# KiCad board NoU2-panelized.kicad_pcb (continued)
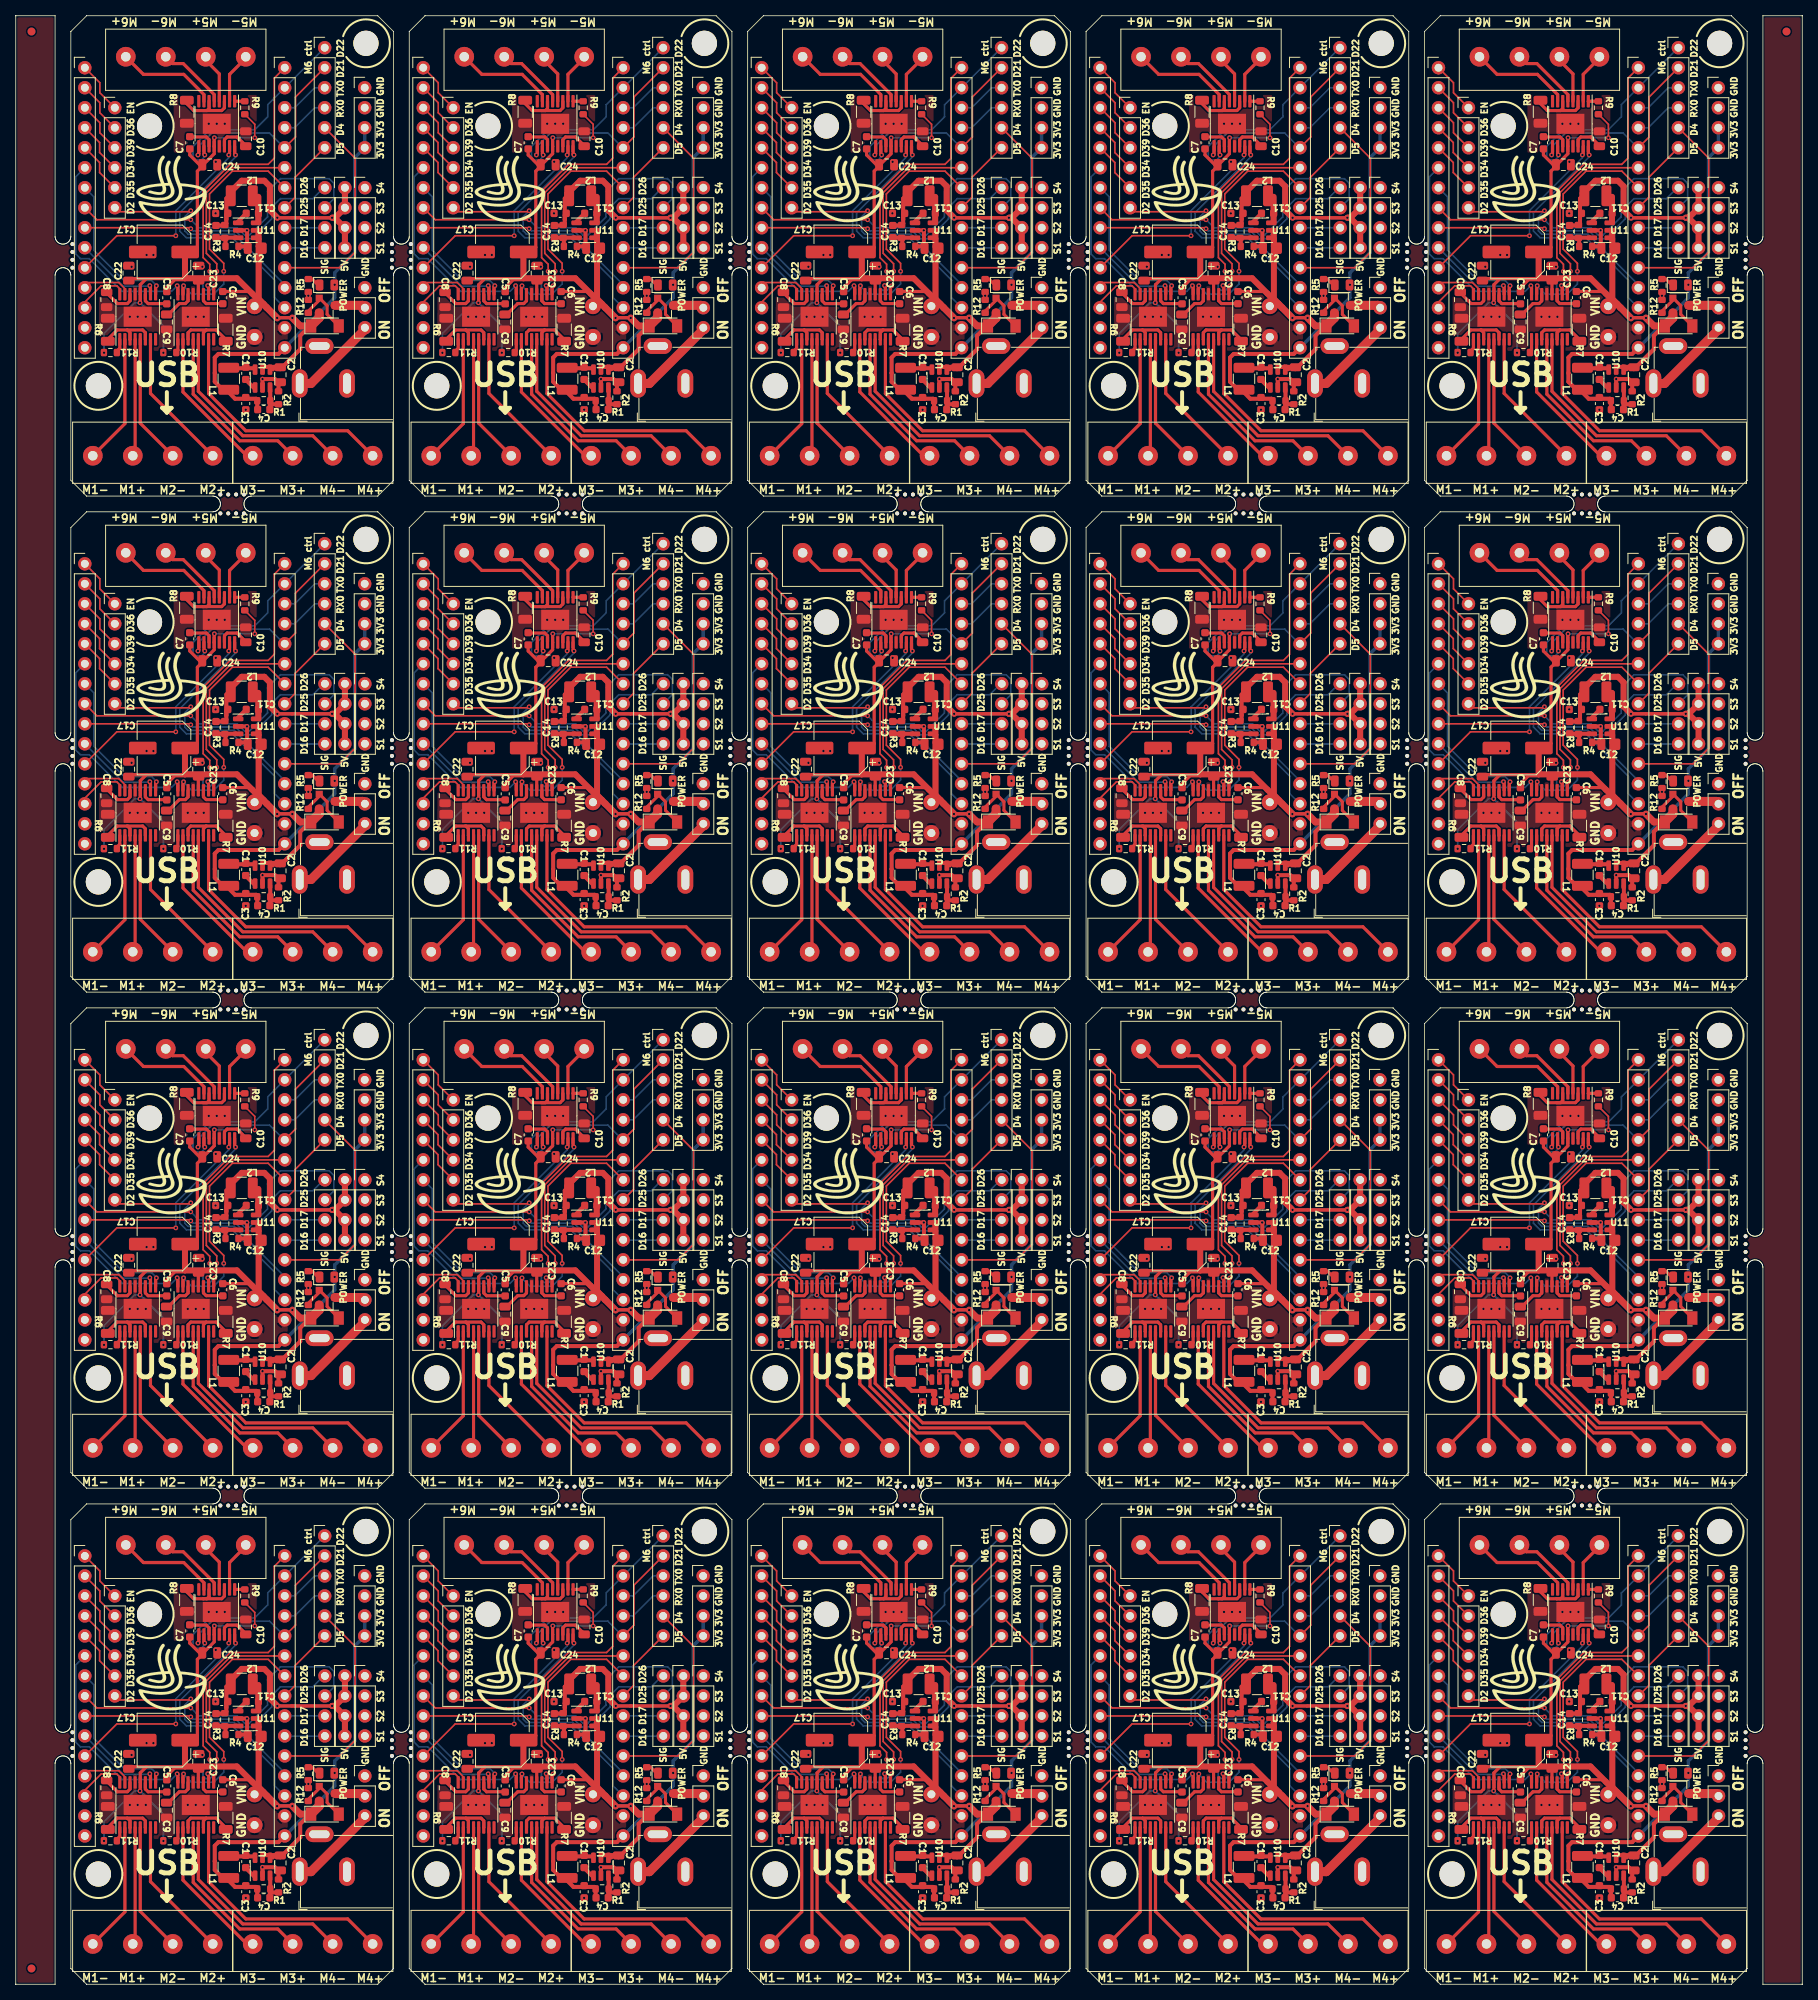
[diagram p0: board, top side]
## Routing (per net, layer and track width the routed paths; a pad name or vN(x,y) marks a point on that pad's centre or on a via; arc(x,y) is an arc through that point) (continued)
Board_15-Net-(Q1-Pad3): length 3.9
  Top w1.143: Q1#17.3 44.06,24.22 U8#20.2
Board_15-Net-(R6-Pad2): length 7.8
  Top w0.399: 14.18,21.1 16.13,21.1 16.47,20.75 U1#5.6 16.47,19.91 ; 14.18,21.1 12.89,21.1 11.7,19.91 R6#5.2 ; 14.18,21.1 14.52,20.75 U1#5.3 14.52,19.91
Board_15-Net-(R7-Pad2): length 7.8
  Top w0.399: 21.9,19.91 U3.3 21.9,20.75 22.24,21.1 24.19,21.1 ; 24.19,21.1 23.85,20.75 U3.6 23.84,19.9 ; 24.19,21.1 25.47,21.1 26.69,19.89 R7#5.2
Board_15-Net-(R8-Pad2): length 8.5
  Top w0.399: 23.79,48.96 26.17,48.96 26.52,49.3 U2#17.3 ; 23.79,48.96 24.3,48.96 24.57,49.23 U2#17.6 ; 23.79,48.96 22.61,48.96 21.73,49.84 21.73,50.4
Board_15-Net-(R9-Pad1): length 1.3
  Top w0.399: R9#14.1 27.82,50.14 U2#17.1
Board_15-Net-(R10-Pad1): length 1.7
  Top w0.399: 20.4,18.33 20.6,18.53 U3.1
Board_15-Net-(R11-Pad1): length 1.8
  Top w0.399: 12.78,18.33 13.22,18.77 U1#5.1
Board_15-RX0: length 6.1
  Bottom w0.203: J11#10.4 35.45,46.78 37.99,49.32 J1#8.4
Board_15-TX0: length 6.1
  Bottom w0.203: J1#8.3 37.99,51.86 35.45,49.32 J11#10.3
Board_15-VIN: length 111
  Top w0.203: v1(30.37,45.51) 30.37,47.22 R9#14.2
  Top w0.25: J14#14.1 31.71,24.12 31.9,23.93
  Top w0.399: 21.54,27.62 16.6,27.62 15.82,26.84 U1#5.12 15.82,24.56 15.81,24.55 ; 23.7,42.08 23.82,42.08 25.22,43.48 U2#17.12 25.21,44.43 25.21,45.51 ; 23.7,42.08 23.36,42.08 22.11,43.32 C7#7.1 ; 23.7,42.08 23.7,41.89 23.08,41.26 23.08,31.59 22.49,31 C17#10.1 ; 21.49,27.47 20.31,27.47 ; C5#13.1 19.19,26.46 20.16,27.42 ; 30.04,25.72 29.78,25.98 C6#19.1 ; 23.21,27.36 23.2,27.35 U3.12 ; 29.01,48.4 R9#14.2 ; C22#17.1 14.6,27.6 ; 14.65,27.62 16.62,27.62
  Top w0.432: v1(33.21,22.62) 33.25,22.65 35.11,22.65 v1(35.14,22.62)
  Top w0.508: 32.53,16.27 32.69,16.11 ; D2#6.1 37.38,21.6 36.15,20.37 36.15,18.65 33.78,16.28 33.77,16.28 33.6,16.11 ; 33.52,16.41 32.61,16.41 ; 31.65,16.4 32.27,16.4 ; 30.86,32.61 30.68,32.8 ; 30.86,30.72 30.86,30.95 C12#5.2
  Top w0.762: 30.74,25.1 30.66,25.1 28.1,27.66 21.57,27.66 ; C17#10.1 21.5,30.97 21.5,27.66 ; 30.85,32.7 30.85,33.65 ; 30.86,32.61 30.86,24.97 31.46,24.37
  Top w0.864: v1(35.14,22.62) 36.16,21.6 D2#6.1 ; 30.74,25.1 v1(33.21,22.62)
  Top w1.143: D2#6.1 38.56,22.63 Q1#17.2
  Bottom w0.203: v1(11.22,18.2) 11.22,20.64 15.13,24.55 v1(15.79,24.55) ; 25.21,45.51 v1(30.37,45.51)
  Bottom w0.25: v1(15.79,24.55) 18.76,21.58 v1(18.76,18.2)
  Bottom w0.432: v1(33.21,22.62) 33.25,22.65 35.11,22.65 v1(35.14,22.62)
  vias: v1(25.24,45.51)
Board_16-3V3: length 53
  Top w0.508: 73.81,12.1 73.56,12.36 70.87,12.36 69.94,13.29 69.94,13.5 70.07,13.37 ; R1#2.1 73.69,11.04 ; 70.2,13.25 69.56,13.25 68.29,14.52 68.29,15.63 68.29,15.63 68.29,17.59 68.75,18.05 76.39,18.05 J11#20.15 ; 73.81,11.04 73.86,10.99
  Bottom w0.432: J3#19.3 J3#19.4 86.09,42.99 86.09,30.92 83.53,28.36 v1(83.53,26.84) 83.53,25.19 J11#20.15
Board_16-5V: length 40.3
  Top w0.432: v1(76.24,35.35) v1(83.2,35.35)
  Top w0.508: 69.98,36.1 69.98,35.9 69.76,35.69 69.76,35.14 ; 69.76,35.14 69.76,37.79 70.11,38.14 ; 69.76,35.14 69.76,34.63 R3#3.1 69.5,34.37 C14#20.2
  Top w0.762: 84.82,31.51 84.82,34.05 83.53,35.35 v1(83.2,35.35) 83.58,35.35 84.82,36.59 J12#12.1 ; v1(76.24,35.35) 75.3,36.29 75.3,39.33 74.59,40.05 72.58,40.05 72.57,40.04 71.72,40.04 70.11,38.43 70.11,38.14
  Bottom w0.432: v1(83.2,35.35) v1(76.24,35.35)
Board_16-/Sheet6057E9B8/D16: length 5.1
  Top w0.203: 77.21,31.51 J11#20.10
  Bottom w0.203: 82.28,31.51 77.21,31.51
Board_16-/Sheet6057E9B8/D17: length 5.1
  Top w0.203: 82.25,34.08 82.28,34.05
  Bottom w0.203: J11#20.9 82.25,34.08
Board_16-/Sheet6057E9B8/D34: length 6.7
  Top w0.203: J10#19.4 53.66,44.9 53.66,43.63 55.59,41.7
Board_16-/Sheet6057E9B8/D35: length 6.7
  Top w0.203: 55.59,39.16 53.66,41.09 53.66,42.36 J10#19.5
Board_16-/Sheet6057E9B8/D36: length 6.7
  Top w0.203: J10#19.2 53.68,49.95 53.68,48.68 55.59,46.78
Board_16-/Sheet6057E9B8/D39: length 6.7
  Top w0.203: J10#19.3 53.68,47.41 53.68,46.14 55.59,44.24
Board_16-/Sheet6057E9B8/EN: length 7.3
  Top w0.203: J10#19.1 53.68,52.49 53.68,51.22 55.59,49.32
  Top w0.399: 51.78,53.76 J10#19.1
Board_16-D2: length 28.7
  Top w0.203: v1(65.24,36.24) 65.11,36.11 56.1,36.11 J4#10.6
  Bottom w0.203: v1(65.24,36.24) 64.48,35.47 64.48,33.67 64.9,33.25 70.77,33.25 77.18,26.84 J11#20.12
Board_16-D4: length 27.2
  Top w0.203: J11#20.11 84.14,29 86.12,30.98 86.12,42.92 J1#15.5
Board_16-D5: length 9.7
  Top w0.203: J11#20.8 78.5,37.94 78.5,40.48 J1#15.6
Board_16-D25: length 41.8
  Top w0.203: v1(65.24,35.09) 53.3,35.09 J10#19.8
  Bottom w0.203: v1(65.24,35.09) 66.26,34.08 71.15,34.08 72.08,33.14 72.68,33.14 75,35.46 75,38.68 76.63,40.31 82.83,40.31 83.44,39.71 83.44,37.77 J2#17.2
Board_16-D26: length 34.6
  Top w0.203: v1(65.24,33.95) 65.15,34.08 J10#19.9
  Bottom w0.203: v1(65.24,33.95) 65.52,33.67 70.91,33.67 71.91,32.68 72.99,32.68 75.53,35.22 75.53,36.67 76.63,37.77 80.75,37.77 82.13,39.16 J2#17.1
Board_16-GND: length 10.3
  Top w0.508: 80.15,25.88 R5#8.1 R12#3.2 ; 74.36,13.61 v1(74.36,14.86) 75.93,14.86 76.33,14.46 76.61,14.46 76.39,14.24 76.39,13.31 ; 71.06,33.75 v1(72.38,33.75) 72.4,33.72 72.4,31.8 72.31,31.71 R4#19.2 ; 72.32,10.98 72.32,10.98
  vias: v1(57.49,22.77) v1(57.72,29.12) v1(58.5,22.77) v1(59.53,22.77) v1(59.63,30.62) v1(60.49,30.62) v1(64.86,22.77) v1(65.88,22.77) v1(66.71,29.12) v1(66.89,22.77) v1(67.53,47.28) v1(68.42,42.46) v1(68.39,35.9) v1(68.54,47.28) v1(69.56,47.28) v1(72.22,10.96) v1(80.18,25.44)
Board_16-M1A: length 6.9
  Top w0.203: J10#19.13 51.78,24.63 53.85,26.7 55.85,26.7 56.22,26.33 U1#19.16
Board_16-M1B: length 6.8
  Top w0.203: U1#19.15 56.87,26.34 56.1,27.12 51.78,27.12 J10#19.12
Board_16-M2A: length 11.3
  Top w0.399: 60.03,26.66 60.12,26.57 U1#19.10
  Bottom w0.203: 60.03,26.66 56.65,26.66 J10#19.10
  vias: v1(60.03,26.72)
Board_16-M2B: length 19.4
  Top w0.399: 60.87,26.66 60.77,26.56 U1#19.9
  Bottom w0.203: J10#19.7 52.93,38 52.93,31.22 56.78,27.37 60.26,27.37 60.87,26.76 v1(60.87,26.71) 60.87,26.66 60.87,26.72
Board_16-M3A: length 27.6
  Top w0.399: 63.51,26.66 63.6,26.57 U3#7.16
  Bottom w0.203: J10#19.6 50.63,40.54 50.63,30.75 51.23,30.15 52.35,30.15 56.5,26 62.79,26 v1(63.51,26.72)
Board_16-M3B: length 30.9
  Top w0.203: J11#20.7 75.07,41.26 70.52,41.26 67.62,38.36 67.62,31.36 69.43,29.55 v1(69.43,28.54) ; 64.25,26.58 64.33,26.66
  Top w0.399: U3#7.15 64.25,26.58
  Bottom w0.203: 64.33,26.66 65.34,25.65 68.15,25.65 69.43,26.93 v1(69.43,28.54)
  vias: v1(64.33,26.71)
Board_16-M4A: length 25.2
  Top w0.203: J11#20.6 70.39,41.7 67.22,38.53 67.22,30.83 68.54,29.5 v1(68.54,28.54)
  Top w0.399: 67.4,26.66 67.5,26.56 U3#7.10
  Bottom w0.203: 67.4,26.66 67.4,26.67 68.54,27.82 v1(68.54,28.54)
  vias: v1(67.4,26.74)
Board_16-M4B: length 38.7
  Top w0.203: v1(67.65,28.54) 67.65,29.44 66.81,30.28 66.81,38.7 70.24,42.13 75.07,42.13 75.86,42.92 75.86,53.08 J11#20.1
  Top w0.399: U3#7.9 68.15,26.55 68.26,26.66
  Bottom w0.203: v1(68.29,26.71) 67.71,26.13 67.11,26.13 66.79,26.44 66.79,27.12 67.65,27.98 v1(67.65,28.54)
Board_16-M5A: length 32.5
  Top w0.399: 70.93,43.37 v1(70.93,43.32) 70.82,43.43 U2.16
  Bottom w0.203: J11#20.13 77.17,23.92 75.91,25.19 75.91,27.41 70.51,32.81 64.69,32.81 63.84,33.65 63.84,35.98 70.93,43.07 v1(70.93,43.32)
Board_16-M5B: length 27.4
  Top w0.203: v1(63.33,33.06) 55.84,33.06 J10#19.11
  Top w0.399: U2.15 70.17,43.47 70.07,43.37
  Bottom w0.203: 70.07,43.37 70.07,42.97 63.33,36.24 v1(63.33,33.06)
  vias: v1(70.07,43.32)
Board_16-M6A: length 27.3
  Top w0.203: 82.25,56.94 J1#15.1
  Top w0.399: U2.10 66.92,43.47 67.02,43.37
  Bottom w0.203: 82.25,56.94 J11#20.2 75.02,49.7 75.02,48.17 73.37,46.52 67.65,46.52 65.52,44.39 65.52,43.02 65.85,42.69 66.59,42.69 67.02,43.12 v1(67.02,43.32)
Board_16-M6B: length 26.9
  Top w0.203: J11#20.5 78.55,45.61 78.55,50.69 J1#15.2
  Top w0.399: 66.15,43.37 66.27,43.49 U2.9
  Bottom w0.203: 66.15,43.37 66.27,43.49 66.27,44.46 67.92,46.11 75.24,46.11 77.11,44.24 J11#20.5
  vias: v1(66.15,43.32)
Board_16-Net-(C1-Pad1): length 3.3
  Top w0.508: 73.43,16.23 70.15,16.23
Board_16-Net-(C1-Pad2): length 1.7
  Top w0.508: 72.2,14.8 73.37,13.63 ; 72.33,14.81 72.33,14.78
Board_16-Net-(C4-Pad1): length 4.1
  Top w0.508: 75.29,12.06 75.29,11.84 75.46,11.66 R2#14.1 ; 75.29,12.06 C4#8.1 ; 75.29,12.06 R1#2.2 75.34,13.59 ; 75.41,12.06 75.46,12.1
Board_16-Net-(C5-Pad2): length 3.7
  Top w0.399: U1#19.11 59.47,24.79 59.82,24.44 62.16,24.44 C5#15.2
Board_16-Net-(C6-Pad2): length 3.4
  Top w0.399: C6#18.2 69.28,24.45 67.19,24.45 66.85,24.79 U3#7.11
Board_16-Net-(C7-Pad2): length 3.5
  Top w0.399: C7#2.2 65.15,45.61 67.22,45.61 67.57,45.27 U2.11
Board_16-Net-(C8-Pad1): length 4.6
  Top w0.399: C8.1 54.55,25.81 55.91,24.45 57.18,24.45 57.52,24.79 U1#19.14
Board_16-Net-(C9-Pad1): length 4.3
  Top w0.399: C9#9.1 62.4,23.06 63.78,24.45 64.56,24.45 64.9,24.79 U3#7.14
Board_16-Net-(C10-Pad1): length 4.2
  Top w0.399: U2.14 69.52,45.27 69.86,45.61 71.12,45.61 72.22,44.51 C10#9.1
Board_16-Net-(C11-Pad1): length 3.5
  Top w0.508: 73.7,37.99 73.65,38.04 ; 73.7,36.04 C11#8.1 73.68,35.75
  Top w0.762: 73.83,34.81 73.83,35.86 ; 73.83,36.06 73.83,38
Board_16-Net-(C11-Pad2): length 1.7
  Top w0.508: C11#8.2 71.08,34.7 71.06,34.7
Board_16-Net-(C14-Pad1): length 3.7
  Top w0.508: C14#20.1 71.04,32.82 71.06,32.8 ; R3#3.2 69.65,32.69 R4#19.1
Board_16-Net-(D1-Pad1): length 1.6
  Top w0.381: D1#4.1 81.42,26.81 80.67,27.56 80.35,27.56
Board_16-Net-(D2-Pad2): length 7.2
  Top w0.381: D2#16.2 82.56,23.08 82.56,24.17 Q1#19.1 81.56,24.87 80.2,23.51 80.2,23.27
  Top w0.508: Q1#19.1 81.43,25.17
Board_16-Net-(J6-Pad1): length 16.5
  Top w0.399: U1#19.2 56.87,9.2 J6#7.1
Board_16-Net-(J6-Pad2): length 14.9
  Top w0.399: J6#7.2 58.17,5.42 U1#19.4
Board_16-Net-(J6-Pad3): length 16.5
  Top w0.399: J6#7.3 58.82,9.25 U1#19.5
Board_16-Net-(J6-Pad4): length 18.1
  Top w0.399: U1#19.7 60.12,13.03 J6#7.4
Board_16-Net-(J7-Pad1): length 18.9
  Top w0.399: U3#7.2 64.25,13.22 72.35,5.12 J7#2.1
Board_16-Net-(J7-Pad2): length 22.9
  Top w0.399: U3#7.4 65.55,12.94 71.47,7.02 76.29,7.02 J7#2.2
Board_16-Net-(J7-Pad3): length 27.1
  Top w0.399: J7#2.3 80.73,7.66 71.84,7.66 66.2,13.3 U3#7.5
Board_16-Net-(J7-Pad4): length 31
  Top w0.399: J7#2.4 85.18,8.3 72.22,8.3 67.5,13.02 U3#7.7
Board_16-Net-(J8-Pad1): length 6.5
  Top w0.399: J8#20.1 72.22,55.62 70.17,53.56 U2.2
Board_16-Net-(J8-Pad2): length 6.4
  Top w0.399: J8#20.2 67.14,55.34 68.87,53.61 U2.4
Board_16-Net-(J8-Pad3): length 9
  Top w0.399: J8#20.3 62.93,54.93 64.28,54.93 68.22,50.99 U2.5
Board_16-Net-(J8-Pad4): length 12.8
  Top w0.399: U2.7 66.92,50.99 64.35,53.56 59.22,53.56 J8#20.4
Board_16-Net-(J9-Pad1): length 11.3
  Top w1.143: 87.34,21.38 87.34,21.12 80.52,14.3 J9#4.1
Board_16-Net-(Q1-Pad3): length 3.9
  Top w1.143: U8#14.2 87.06,24.22 Q1#19.3
Board_16-Net-(R6-Pad2): length 7.8
  Top w0.399: 57.18,21.1 57.52,20.75 U1#19.3 57.52,19.91 ; 57.18,21.1 59.13,21.1 59.47,20.75 U1#19.6 59.47,19.91 ; 57.18,21.1 55.89,21.1 54.7,19.91 R6#2.2
Board_16-Net-(R7-Pad2): length 7.8
  Top w0.399: 66.84,19.9 U3#7.6 66.85,20.75 67.19,21.1 ; 67.19,21.1 68.47,21.1 69.69,19.89 R7#11.2 ; 67.19,21.1 65.24,21.1 64.9,20.75 U3#7.3 64.9,19.91
Board_16-Net-(R8-Pad2): length 8.5
  Top w0.399: 64.73,50.4 64.73,49.84 65.61,48.96 66.79,48.96 ; 66.79,48.96 69.17,48.96 69.52,49.3 U2.3 ; 66.79,48.96 67.3,48.96 67.57,49.23 U2.6
Board_16-Net-(R9-Pad1): length 1.3
  Top w0.399: U2.1 70.82,50.14 R9#11.1
Board_16-Net-(R10-Pad1): length 1.7
  Top w0.399: 63.4,18.33 63.6,18.53 U3#7.1
Board_16-Net-(R11-Pad1): length 1.8
  Top w0.399: U1#19.1 56.22,18.77 55.78,18.33
Board_16-RX0: length 6.1
  Bottom w0.203: J11#20.4 78.45,46.78 80.99,49.32 J1#15.4
Board_16-TX0: length 6.1
  Bottom w0.203: J1#15.3 80.99,51.86 78.45,49.32 J11#20.3
Board_16-VIN: length 111
  Top w0.203: R9#11.2 73.37,47.22 v1(73.37,45.51)
  Top w0.25: J14#16.1 74.71,24.12 74.9,23.93
  Top w0.399: 73.04,25.72 72.78,25.98 C6#18.1 ; C24#13.1 66.7,41.89 66.08,41.26 66.08,31.59 65.49,31 C17#9.1 ; C24#13.1 66.82,42.08 68.22,43.48 U2.12 68.21,44.43 68.21,45.51 ; C24#13.1 66.36,42.08 65.11,43.32 C7#2.1 ; 63.16,27.42 62.19,26.46 C5#15.1 ; U3#7.12 66.2,27.35 66.21,27.36 ; 64.54,27.62 59.6,27.62 58.82,26.84 U1#19.12 58.82,24.56 58.81,24.55 ; C22#11.1 57.6,27.6 ; 72.01,48.4 R9#11.2 ; 57.65,27.62 59.62,27.62 ; 64.49,27.47 63.31,27.47
  Top w0.432: v1(78.14,22.62) 78.11,22.65 76.25,22.65 v1(76.21,22.62)
  Top w0.508: C12#14.2 73.86,30.95 73.86,30.72 ; 75.53,16.27 75.69,16.11 ; 74.65,16.4 75.27,16.4 ; 76.52,16.41 75.61,16.41 ; 73.86,32.61 73.68,32.8 ; 76.6,16.11 76.77,16.28 76.78,16.28 79.15,18.65 79.15,20.37 80.38,21.6 D2#16.1
  Top w0.762: 64.5,27.66 64.5,30.97 C17#9.1 ; 73.74,25.1 73.66,25.1 71.1,27.66 64.57,27.66 ; 73.86,32.61 73.86,24.97 74.46,24.37 ; 73.85,32.7 73.85,33.65
  Top w0.864: v1(78.14,22.62) 79.16,21.6 D2#16.1 ; v1(76.21,22.62) 73.74,25.1
  Top w1.143: Q1#19.2 81.56,22.63 D2#16.1
  Bottom w0.203: 68.21,45.51 v1(73.37,45.51) ; v1(58.79,24.55) 58.13,24.55 54.22,20.64 v1(54.22,18.2)
  Bottom w0.25: v1(58.79,24.55) 61.76,21.58 v1(61.76,18.2)
  Bottom w0.432: v1(78.14,22.62) 78.11,22.65 76.25,22.65 v1(76.21,22.62)
  vias: v1(68.24,45.51)
Board_17-3V3: length 53
  Top w0.508: 116.81,11.04 116.86,10.99 ; J11#3.15 119.39,18.05 111.75,18.05 111.29,17.59 111.29,15.63 111.29,15.63 111.29,14.52 112.56,13.25 113.2,13.25 ; 113.07,13.37 112.94,13.5 112.94,13.29 113.87,12.36 116.56,12.36 116.81,12.1 ; R1#9.1 116.69,11.04
  Bottom w0.432: J11#3.15 126.53,25.19 v1(126.53,26.84) 126.53,28.36 129.09,30.92 129.09,42.99 J3#11.4 J3#11.3
Board_17-5V: length 40.3
  Top w0.432: v1(126.2,35.35) v1(119.24,35.35)
  Top w0.508: 112.76,35.14 112.76,35.69 112.98,35.9 112.98,36.1 ; 112.76,35.14 112.76,34.63 R3#10.1 112.5,34.37 C14#17.2 ; 112.76,35.14 112.76,37.79 113.11,38.14
  Top w0.762: J12#17.1 127.82,36.59 126.58,35.35 v1(126.2,35.35) 126.53,35.35 127.82,34.05 127.82,31.51 ; v1(119.24,35.35) 118.3,36.29 118.3,39.33 117.59,40.05 115.58,40.05 115.57,40.04 114.72,40.04 113.11,38.43 113.11,38.14
  Bottom w0.432: v1(119.24,35.35) v1(126.2,35.35)
Board_17-/Sheet6057E9B8/D16: length 5.1
  Top w0.203: 120.21,31.51 J11#3.10
  Bottom w0.203: 125.28,31.51 120.21,31.51
Board_17-/Sheet6057E9B8/D17: length 5.1
  Top w0.203: 125.25,34.08 125.28,34.05
  Bottom w0.203: J11#3.9 125.25,34.08
Board_17-/Sheet6057E9B8/D34: length 6.7
  Top w0.203: J10#14.4 96.66,44.9 96.66,43.63 98.59,41.7
Board_17-/Sheet6057E9B8/D35: length 6.7
  Top w0.203: J10#14.5 96.66,42.36 96.66,41.09 98.59,39.16
Board_17-/Sheet6057E9B8/D36: length 6.7
  Top w0.203: 98.59,46.78 96.68,48.68 96.68,49.95 J10#14.2
Board_17-/Sheet6057E9B8/D39: length 6.7
  Top w0.203: 98.59,44.24 96.68,46.14 96.68,47.41 J10#14.3
Board_17-/Sheet6057E9B8/EN: length 7.3
  Top w0.203: 98.59,49.32 96.68,51.22 96.68,52.49 J10#14.1
  Top w0.399: 94.78,53.76 J10#14.1
Board_17-D2: length 28.7
  Top w0.203: J4#16.6 99.1,36.11 108.11,36.11 v1(108.24,36.24)
  Bottom w0.203: J11#3.12 120.18,26.84 113.77,33.25 107.9,33.25 107.48,33.67 107.48,35.47 v1(108.24,36.24)
Board_17-D4: length 27.2
  Top w0.203: J1#19.5 129.12,42.92 129.12,30.98 127.14,29 J11#3.11
Board_17-D5: length 9.7
  Top w0.203: J1#19.6 121.5,40.48 121.5,37.94 J11#3.8
Board_17-D25: length 41.8
  Top w0.203: J10#14.8 96.3,35.09 v1(108.24,35.09)
  Bottom w0.203: J2#19.2 126.44,37.77 126.44,39.71 125.83,40.31 119.63,40.31 118,38.68 118,35.46 115.68,33.14 115.08,33.14 114.15,34.08 109.26,34.08 v1(108.24,35.09)
Board_17-D26: length 34.6
  Top w0.203: v1(108.24,33.95) 108.15,34.08 J10#14.9
  Bottom w0.203: v1(108.24,33.95) 108.52,33.67 113.91,33.67 114.91,32.68 115.99,32.68 118.53,35.22 118.53,36.67 119.63,37.77 123.75,37.77 125.13,39.16 J2#19.1
Board_17-GND: length 10.3
  Top w0.508: R12#15.2 R5#12.1 123.15,25.88 ; R4#9.2 115.31,31.71 115.4,31.8 115.4,33.72 v1(115.38,33.75) 114.06,33.75 ; 119.39,13.31 119.39,14.24 119.61,14.46 119.33,14.46 118.93,14.86 v1(117.36,14.86) 117.36,13.61 ; 115.32,10.98 115.32,10.98
  vias: v1(100.49,22.77) v1(100.72,29.12) v1(101.5,22.77) v1(102.53,22.77) v1(102.63,30.62) v1(103.49,30.62) v1(107.86,22.77) v1(108.88,22.77) v1(109.71,29.12) v1(109.89,22.77) v1(110.53,47.28) v1(111.42,42.46) v1(111.39,35.9) v1(111.54,47.28) v1(112.56,47.28) v1(115.22,10.96) v1(123.18,25.44)
Board_17-M1A: length 6.9
  Top w0.203: U1#15.16 99.22,26.33 98.85,26.7 96.85,26.7 94.78,24.63 J10#14.13
Board_17-M1B: length 6.8
  Top w0.203: U1#15.15 99.87,26.34 99.1,27.12 94.78,27.12 J10#14.12
Board_17-M2A: length 11.3
  Top w0.399: U1#15.10 103.12,26.57 103.03,26.66
  Bottom w0.203: J10#14.10 99.65,26.66 103.03,26.66
  vias: v1(103.03,26.72)
Board_17-M2B: length 19.4
  Top w0.399: U1#15.9 103.77,26.56 103.87,26.66
  Bottom w0.203: 103.87,26.72 103.87,26.66 v1(103.87,26.71) 103.87,26.76 103.26,27.37 99.78,27.37 95.93,31.22 95.93,38 J10#14.7
Board_17-M3A: length 27.6
  Top w0.399: 106.51,26.66 106.6,26.57 U3#6.16
  Bottom w0.203: J10#14.6 93.63,40.54 93.63,30.75 94.23,30.15 95.35,30.15 99.5,26 105.79,26 v1(106.51,26.72)
Board_17-M3B: length 30.9
  Top w0.203: 107.25,26.58 107.33,26.66 ; J11#3.7 118.07,41.26 113.52,41.26 110.62,38.36 110.62,31.36 112.43,29.55 v1(112.43,28.54)
  Top w0.399: U3#6.15 107.25,26.58
  Bottom w0.203: v1(112.43,28.54) 112.43,26.93 111.15,25.65 108.34,25.65 107.33,26.66
  vias: v1(107.33,26.71)
Board_17-M4A: length 25.2
  Top w0.203: J11#3.6 113.39,41.7 110.22,38.53 110.22,30.83 111.54,29.5 v1(111.54,28.54)
  Top w0.399: U3#6.10 110.5,26.56 110.4,26.66
  Bottom w0.203: v1(111.54,28.54) 111.54,27.82 110.4,26.67 110.4,26.66
  vias: v1(110.4,26.74)
Board_17-M4B: length 38.7
  Top w0.203: v1(110.65,28.54) 110.65,29.44 109.81,30.28 109.81,38.7 113.24,42.13 118.07,42.13 118.86,42.92 118.86,53.08 J11#3.1
  Top w0.399: U3#6.9 111.15,26.55 111.26,26.66
  Bottom w0.203: v1(110.65,28.54) 110.65,27.98 109.79,27.12 109.79,26.44 110.11,26.13 110.71,26.13 v1(111.29,26.71)
Board_17-M5A: length 32.5
  Top w0.399: 113.93,43.37 v1(113.93,43.32) 113.82,43.43 U2#11.16
  Bottom w0.203: J11#3.13 120.17,23.92 118.91,25.19 118.91,27.41 113.51,32.81 107.69,32.81 106.84,33.65 106.84,35.98 113.93,43.07 v1(113.93,43.32)
Board_17-M5B: length 27.4
  Top w0.203: v1(106.33,33.06) 98.84,33.06 J10#14.11
  Top w0.399: 113.07,43.37 113.17,43.47 U2#11.15
  Bottom w0.203: v1(106.33,33.06) 106.33,36.24 113.07,42.97 113.07,43.37
  vias: v1(113.07,43.32)
Board_17-M6A: length 27.3
  Top w0.203: 125.25,56.94 J1#19.1
  Top w0.399: U2#11.10 109.92,43.47 110.02,43.37
  Bottom w0.203: v1(110.02,43.32) 110.02,43.12 109.59,42.69 108.85,42.69 108.52,43.02 108.52,44.39 110.65,46.52 116.37,46.52 118.02,48.17 118.02,49.7 J11#3.2 125.25,56.94
Board_17-M6B: length 26.9
  Top w0.203: J1#19.2 121.55,50.69 121.55,45.61 J11#3.5
  Top w0.399: U2#11.9 109.27,43.49 109.15,43.37
  Bottom w0.203: 109.15,43.37 109.27,43.49 109.27,44.46 110.92,46.11 118.24,46.11 120.11,44.24 J11#3.5
  vias: v1(109.15,43.32)
Board_17-Net-(C1-Pad1): length 3.3
  Top w0.508: 116.43,16.23 113.15,16.23
Board_17-Net-(C1-Pad2): length 1.7
  Top w0.508: 115.33,14.81 115.33,14.78 ; 115.2,14.8 116.37,13.63
Board_17-Net-(C4-Pad1): length 4.1
  Top w0.508: 118.34,13.59 R1#9.2 118.29,12.06 ; 118.29,12.06 118.29,11.84 118.46,11.66 R2#5.1 ; 118.29,12.06 C4#7.1 ; 118.41,12.06 118.46,12.1
Board_17-Net-(C5-Pad2): length 3.7
  Top w0.399: C5#2.2 105.16,24.44 102.82,24.44 102.47,24.79 U1#15.11
Board_17-Net-(C6-Pad2): length 3.4
  Top w0.399: C6#3.2 112.28,24.45 110.19,24.45 109.85,24.79 U3#6.11
Board_17-Net-(C7-Pad2): length 3.5
  Top w0.399: C7#15.2 108.15,45.61 110.22,45.61 110.57,45.27 U2#11.11
Board_17-Net-(C8-Pad1): length 4.6
  Top w0.399: C8#5.1 97.55,25.81 98.91,24.45 100.18,24.45 100.52,24.79 U1#15.14
Board_17-Net-(C9-Pad1): length 4.3
  Top w0.399: U3#6.14 107.9,24.79 107.56,24.45 106.78,24.45 105.4,23.06 C9#19.1
Board_17-Net-(C10-Pad1): length 4.2
  Top w0.399: C10#15.1 115.22,44.51 114.12,45.61 112.86,45.61 112.52,45.27 U2#11.14
Board_17-Net-(C11-Pad1): length 3.5
  Top w0.508: 116.68,35.75 C11#10.1 116.7,36.04 ; 116.7,37.99 116.65,38.04
  Top w0.762: 116.83,36.06 116.83,38 ; 116.83,34.81 116.83,35.86
Board_17-Net-(C11-Pad2): length 1.7
  Top w0.508: C11#10.2 114.08,34.7 114.06,34.7
Board_17-Net-(C14-Pad1): length 3.7
  Top w0.508: C14#17.1 114.04,32.82 114.06,32.8 ; R4#9.1 112.65,32.69 R3#10.2
Board_17-Net-(D1-Pad1): length 1.6
  Top w0.381: D1#2.1 124.42,26.81 123.67,27.56 123.35,27.56
Board_17-Net-(D2-Pad2): length 7.2
  Top w0.381: 123.2,23.27 123.2,23.51 124.56,24.87 Q1#4.1 125.56,24.17 125.56,23.08 D2#13.2
  Top w0.508: Q1#4.1 124.43,25.17
Board_17-Net-(J6-Pad1): length 16.5
  Top w0.399: U1#15.2 99.87,9.2 J6#16.1
Board_17-Net-(J6-Pad2): length 14.9
  Top w0.399: U1#15.4 101.17,5.42 J6#16.2
Board_17-Net-(J6-Pad3): length 16.5
  Top w0.399: U1#15.5 101.82,9.25 J6#16.3
Board_17-Net-(J6-Pad4): length 18.1
  Top w0.399: J6#16.4 103.12,13.03 U1#15.7
Board_17-Net-(J7-Pad1): length 18.9
  Top w0.399: U3#6.2 107.25,13.22 115.35,5.12 J7#8.1
Board_17-Net-(J7-Pad2): length 22.9
  Top w0.399: U3#6.4 108.55,12.94 114.47,7.02 119.29,7.02 J7#8.2
Board_17-Net-(J7-Pad3): length 27.1
  Top w0.399: J7#8.3 123.73,7.66 114.84,7.66 109.2,13.3 U3#6.5
Board_17-Net-(J7-Pad4): length 31
  Top w0.399: U3#6.7 110.5,13.02 115.22,8.3 128.18,8.3 J7#8.4
Board_17-Net-(J8-Pad1): length 6.5
  Top w0.399: J8#19.1 115.22,55.62 113.17,53.56 U2#11.2
Board_17-Net-(J8-Pad2): length 6.4
  Top w0.399: U2#11.4 111.87,53.61 110.14,55.34 J8#19.2
Board_17-Net-(J8-Pad3): length 9
  Top w0.399: J8#19.3 105.93,54.93 107.28,54.93 111.22,50.99 U2#11.5
Board_17-Net-(J8-Pad4): length 12.8
  Top w0.399: U2#11.7 109.92,50.99 107.35,53.56 102.22,53.56 J8#19.4
Board_17-Net-(J9-Pad1): length 11.3
  Top w1.143: 130.34,21.38 130.34,21.12 123.52,14.3 J9#20.1
Board_17-Net-(Q1-Pad3): length 3.9
  Top w1.143: Q1#4.3 130.06,24.22 U8#6.2
Board_17-Net-(R6-Pad2): length 7.8
  Top w0.399: 100.18,21.1 100.52,20.75 U1#15.3 100.52,19.91 ; 100.18,21.1 98.89,21.1 97.7,19.91 R6#17.2 ; 100.18,21.1 102.13,21.1 102.47,20.75 U1#15.6 102.47,19.91
Board_17-Net-(R7-Pad2): length 7.8
  Top w0.399: 110.19,21.1 111.47,21.1 112.69,19.89 R7#12.2 ; 110.19,21.1 109.85,20.75 U3#6.6 109.84,19.9 ; 110.19,21.1 108.24,21.1 107.9,20.75 U3#6.3 107.9,19.91
Board_17-Net-(R8-Pad2): length 8.5
  Top w0.399: 107.73,50.4 107.73,49.84 108.61,48.96 109.79,48.96 ; 109.79,48.96 112.17,48.96 112.52,49.3 U2#11.3 ; 109.79,48.96 110.3,48.96 110.57,49.23 U2#11.6
Board_17-Net-(R9-Pad1): length 1.3
  Top w0.399: U2#11.1 113.82,50.14 R9#2.1
Board_17-Net-(R10-Pad1): length 1.7
  Top w0.399: U3#6.1 106.6,18.53 106.4,18.33
Board_17-Net-(R11-Pad1): length 1.8
  Top w0.399: 98.78,18.33 99.22,18.77 U1#15.1
Board_17-RX0: length 6.1
  Bottom w0.203: J11#3.4 121.45,46.78 123.99,49.32 J1#19.4
Board_17-TX0: length 6.1
  Bottom w0.203: J11#3.3 121.45,49.32 123.99,51.86 J1#19.3
Board_17-VIN: length 111
  Top w0.203: v1(116.37,45.51) 116.37,47.22 R9#2.2
  Top w0.25: J14#2.1 117.71,24.12 117.9,23.93
  Top w0.399: 100.65,27.62 102.62,27.62 ; C5#2.1 105.19,26.46 106.16,27.42 ; 109.21,27.36 109.2,27.35 U3#6.12 ; C6#3.1 115.78,25.98 116.04,25.72 ; 111.21,45.51 111.21,44.43 U2#11.12 111.22,43.48 109.82,42.08 C24#16.1 ; C24#16.1 109.7,41.89 109.08,41.26 109.08,31.59 108.49,31 C17#13.1 ; C24#16.1 109.36,42.08 108.11,43.32 C7#15.1 ; 101.81,24.55 101.82,24.56 U1#15.12 101.82,26.84 102.6,27.62 107.54,27.62 ; C22#8.1 100.6,27.6 ; 115.01,48.4 R9#2.2 ; 107.49,27.47 106.31,27.47
  Top w0.432: v1(121.14,22.62) 121.11,22.65 119.25,22.65 v1(119.21,22.62)
  Top w0.508: 119.6,16.11 119.77,16.28 119.78,16.28 122.15,18.65 122.15,20.37 123.38,21.6 D2#13.1 ; 116.86,32.61 116.68,32.8 ; 116.86,30.72 116.86,30.95 C12#20.2 ; 118.53,16.27 118.69,16.11 ; 119.52,16.41 118.61,16.41 ; 117.65,16.4 118.27,16.4
  Top w0.762: 116.86,32.61 116.86,24.97 117.46,24.37 ; C17#13.1 107.5,30.97 107.5,27.66 ; 116.85,32.7 116.85,33.65 ; 116.74,25.1 116.66,25.1 114.1,27.66 107.57,27.66
  Top w0.864: D2#13.1 122.16,21.6 v1(121.14,22.62) ; 116.74,25.1 v1(119.21,22.62)
  Top w1.143: Q1#4.2 124.56,22.63 D2#13.1
  Bottom w0.203: v1(97.22,18.2) 97.22,20.64 101.13,24.55 v1(101.79,24.55) ; 111.21,45.51 v1(116.37,45.51)
  Bottom w0.25: v1(101.79,24.55) 104.76,21.58 v1(104.76,18.2)
  Bottom w0.432: v1(121.14,22.62) 121.11,22.65 119.25,22.65 v1(119.21,22.62)
  vias: v1(111.24,45.51)
Board_18-3V3: length 53
  Top w0.508: 156.07,13.37 155.94,13.5 155.94,13.29 156.87,12.36 159.56,12.36 159.81,12.1 ; R1#14.1 159.69,11.04 ; 156.2,13.25 155.56,13.25 154.29,14.52 154.29,15.63 154.29,15.63 154.29,17.59 154.75,18.05 162.39,18.05 J11#18.15 ; 159.81,11.04 159.86,10.99
  Bottom w0.432: J11#18.15 169.53,25.19 v1(169.53,26.84) 169.53,28.36 172.09,30.92 172.09,42.99 J3#7.4 J3#7.3
Board_18-5V: length 40.3
  Top w0.432: v1(169.2,35.35) v1(162.24,35.35)
  Top w0.508: 155.76,35.14 155.76,34.63 R3#7.1 155.5,34.37 C14#8.2 ; 155.76,35.14 155.76,37.79 156.11,38.14 ; 155.76,35.14 155.76,35.69 155.98,35.9 155.98,36.1
  Top w0.762: v1(162.24,35.35) 161.3,36.29 161.3,39.33 160.59,40.05 158.58,40.05 158.57,40.04 157.72,40.04 156.11,38.43 156.11,38.14 ; J12#4.1 170.82,36.59 169.58,35.35 v1(169.2,35.35) 169.53,35.35 170.82,34.05 170.82,31.51
  Bottom w0.432: v1(162.24,35.35) v1(169.2,35.35)
